# KiCad board fracture.kicad_pcb
title: _rupture_; date: 2022-02-22; rev: v0_2; company: updated by cyberboy666; note: based on karlklomp design; note: CC-BY-SA
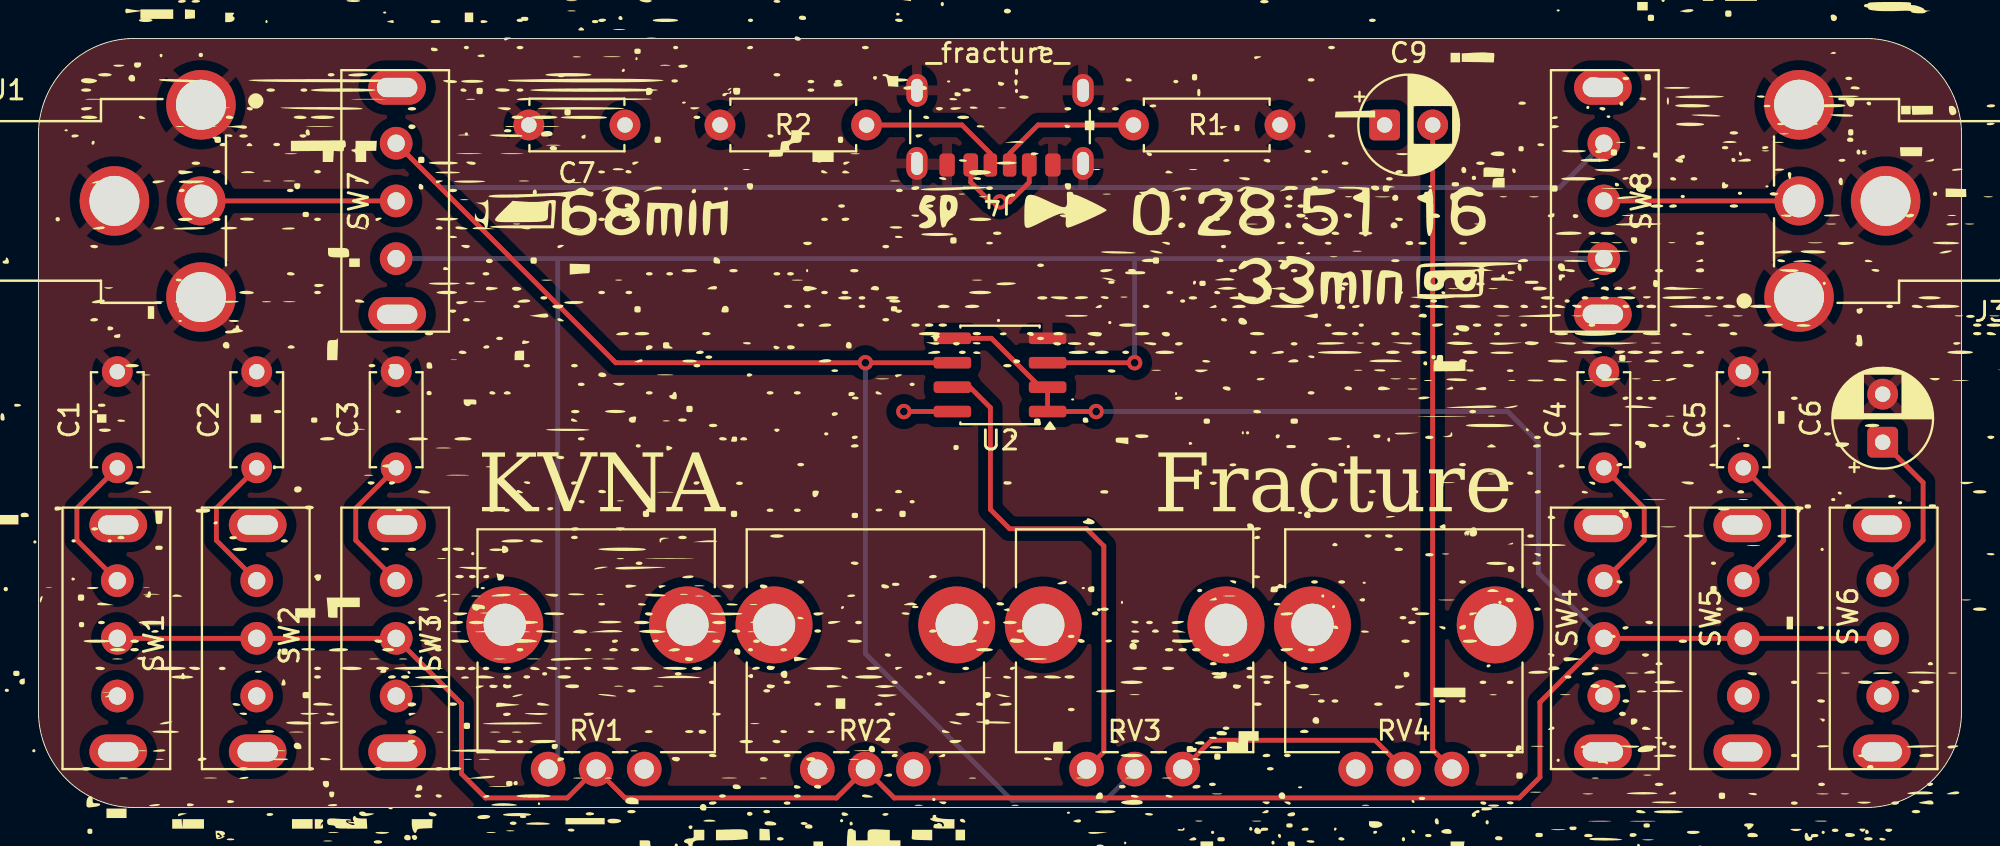
[diagram p0: board, top side]
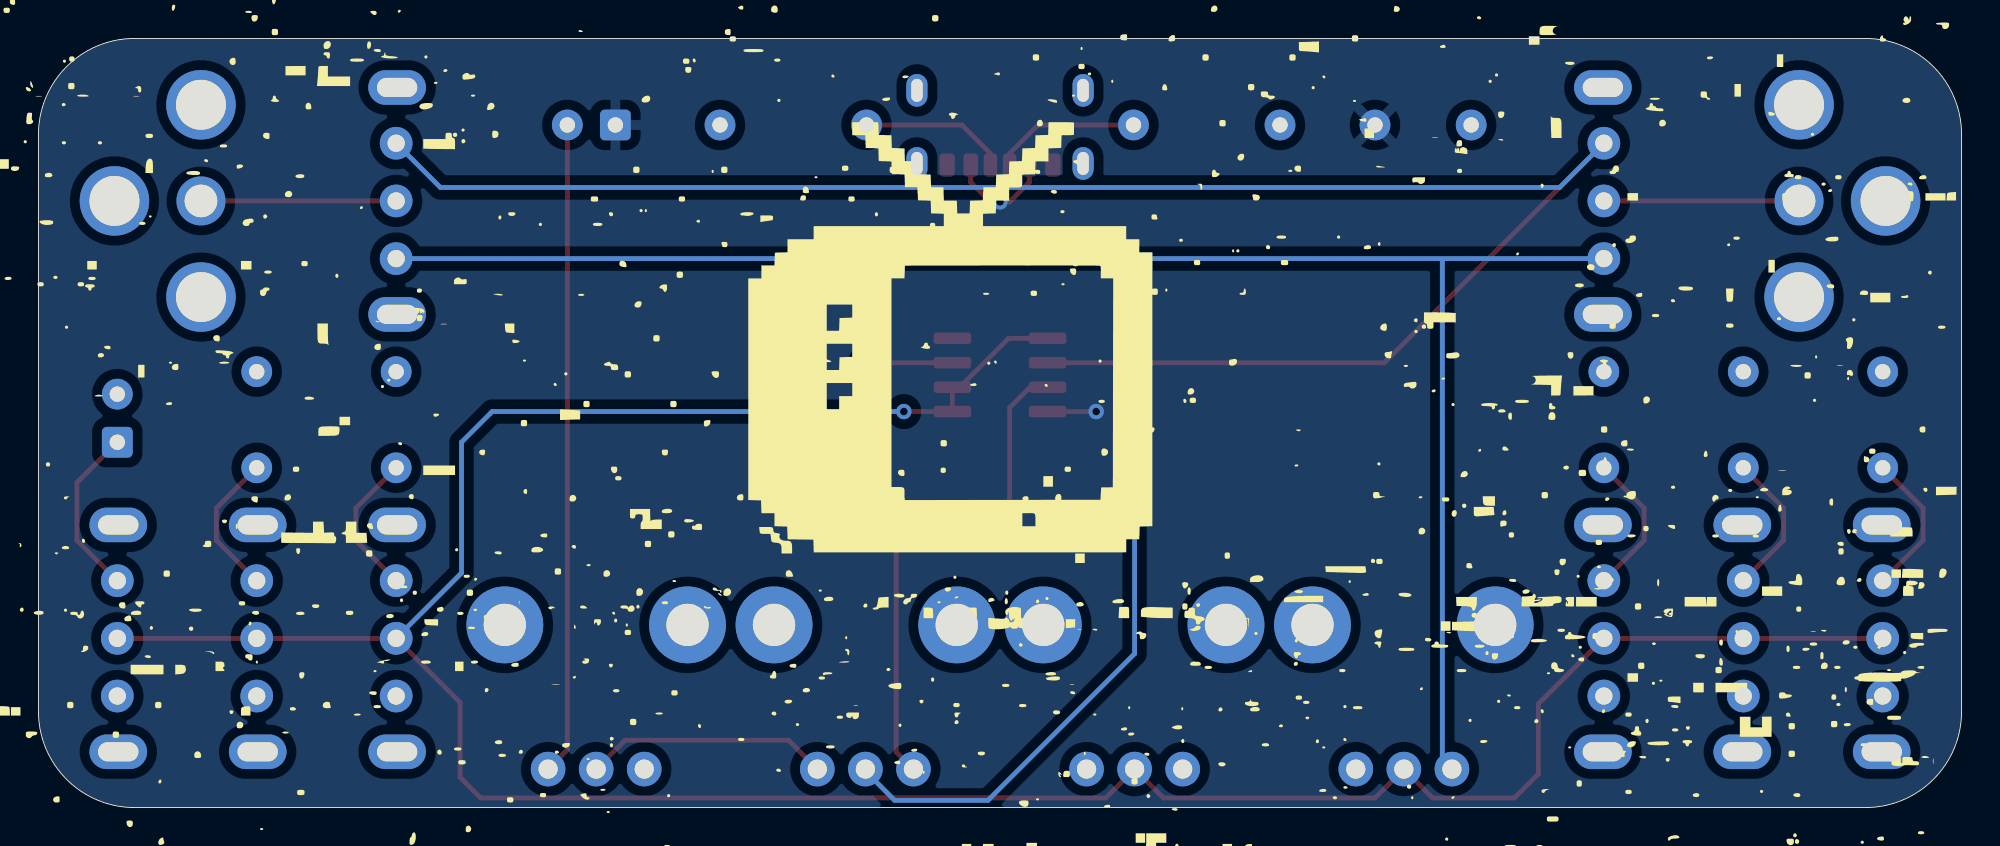
[diagram p1: board, bottom side, seen from below]

Outline 100 x 40 mm; copper layers: Top, Bottom. Coordinates in mm from the lower left corner of the outline.
Outline path: 0,35 arc(1.46,38.54) 5,40 95,40 arc(98.54,38.54) 100,35 100,5 arc(98.54,1.46) 95,0 5,0 arc(1.46,1.46) 0,5 0,35

## Placement (name value [footprint] x y rotation side)
C1  0.01uf  [C_Disc_D4.7mm_W2.5mm_P5.00mm]  4.1 17.67 90 top
C2  0.047uf  [C_Disc_D4.7mm_W2.5mm_P5.00mm]  11.35 17.67 90 top
C3  0.1uf  [C_Disc_D4.7mm_W2.5mm_P5.00mm]  18.6 17.67 90 top
C4  0.68u  [C_Disc_D4.7mm_W2.5mm_P5.00mm]  81.4 17.67 90 top
C5  1uf  [C_Disc_D4.7mm_W2.5mm_P5.00mm]  88.65 17.67 90 top
C6  100uf  [CP_Radial_D5.0mm_P2.50mm]  95.9 19 90 top
C7  0.47u  [C_Disc_D4.7mm_W2.5mm_P5.00mm]  30.5 35.5 180 top
C9  2.2uf  [CP_Radial_D5.0mm_P2.50mm]  70 35.5 0 top
J1  RCJ-013  [CUI_RCJ-013]  2.5 31.55 0 top
J3  RCJ-013  [CUI_RCJ-013]  97.5 31.55 180 top
J4  USB_C_Receptacle_PowerOnly_6P  [USB_C_Receptacle_GCT_USB4125-xx-x-0190_6P_TopMnt_Horizontal]  50 36.5 180 top
R1  5.1k  [R_Axial_DIN0207_L6.3mm_D2.5mm_P7.62mm_Horizontal]  56.94 35.5 0 top
R2  5.1k  [R_Axial_DIN0207_L6.3mm_D2.5mm_P7.62mm_Horizontal]  43.06 35.5 180 top
RV1  1k  [pot_vertical_9mm]  31.5 2 90 top
RV2  1k  [pot_vertical_9mm]  45.5 2 90 top
RV3  1k  [pot_vertical_9mm]  59.5 2 90 top
RV4  1k  [pot_vertical_9mm]  73.5 2 90 top
SW1  SPDT  [spdt_slide_switch_small_tayda]  4 8.75 90 top
SW2  SPDT  [spdt_slide_switch_small_tayda]  11.25 8.75 90 top
SW3  SPDT  [spdt_slide_switch_small_tayda]  18.5 8.75 90 top
SW4  SPDT  [spdt_slide_switch_small_tayda]  81.5 8.85 270 top
SW5  SPDT  [spdt_slide_switch_small_tayda]  88.75 8.85 270 top
SW6  SPDT  [spdt_slide_switch_small_tayda]  96 8.85 270 top
SW7  SPDT  [spdt_slide_switch_small_tayda]  18.5 31.5 90 top
SW8  SPDT  [spdt_slide_switch_small_tayda]  81.5 31.6 270 top
U2  AD8072  [SOIC-8_3.9x4.9mm_P1.27mm]  50 22.5 180 top

## Library data of the parts
C1-C5 C7 = -: ki_fp_filters: C_*
C6 C9 = -: Description: Polarized capacitor; ki_fp_filters: CP_*
J1 J3 = -: MF: Same Sky; Description_1: Metal Right-Angle, RCA Jack, White Insulator; Package: None; Price: None; Check_prices: https://www.snapeda.com/parts/RCJ-013/Same+Sky/view-part/?ref=eda; PART_REV: B; STANDARD: Manufacturer recommendations; SnapEDA_Link: https://www.snapeda.com/parts/RCJ-013/Same+Sky/view-part/?ref=snap; Availability: In Stock; MANUFACTURER: CUI Inc
J4 = -: Datasheet: https://www.usb.org/sites/default/files/documents/usb_type-c.zip; Description: USB Power-Only 6P Type-C Receptacle connector; ki_fp_filters: USB*C*Receptacle*
R1 R2 = -: ki_fp_filters: R_*
RV1-RV4 = -: Description: Trim-potentiometer; ki_fp_filters: Potentiometer*
SW1-SW8 = -: Vendor: tayda; Sku: A-659
U2 = -: Datasheet: http://www.ti.com/lit/ds/symlink/lm358.pdf; Vendor: mouser; Sku: 584-AD8072JNZ; ki_fp_filters: SOIC*3.9x4.9mm*P1.27mm* DIP*W7.62mm* TO*99* OnSemi*Micro8* TSSOP*3x3mm*P0.65mm* TSSOP*4.4x3mm*P0.65mm* MSOP*3x3mm*P0.65mm* SSOP*3.9x4.9mm*P0.635mm* LFCSP*2x2mm*P0.5mm* *SIP* SOIC*5.3x6.2mm*P1.27mm*

## Footprints (pads in the part's own frame, mm; a bottom-side part is the same pattern mirrored in y, then rotated)
C_Disc_D4.7mm_W2.5mm_P5.00mm
  round 1.6 hole 0.8: 1(0,0) 2(5,0)
CP_Radial_D5.0mm_P2.50mm
  rrect 1.6x1.6 hole 0.8: 1(0,0)
  round 1.6 hole 0.8: 2(2.5,0)
CUI_RCJ-013
  round 3.616 hole 2.6: 1A(5.95,5) 1B(5.95,-5) 1C(1.45,0)
  round 2.55 hole 1.7: 2(5.95,0)
pot_vertical_9mm
  round 4 hole 2.2 unplated: (7.5,7.25) (7.5,-2.25)
  round 1.8 hole 1: 1(0,0) 2(0,2.5) 3(0,5)
R_Axial_DIN0207_L6.3mm_D2.5mm_P7.62mm_Horizontal
  round 1.6 hole 0.8: 1(0,0) 2(7.62,0)
SOIC-8_3.9x4.9mm_P1.27mm
  rrect 1.95x0.6 smd: 1(-2.475,1.905) 2(-2.475,0.635) 3(-2.475,-0.635) 4(-2.475,-1.905) 5(2.475,-1.905) 6(2.475,-0.635) 7(2.475,0.635) 8(2.475,1.905)
spdt_slide_switch_small_tayda
  oval 1.8x3 hole 1x2.1: (-5.85,-0.15) (5.95,-0.15)
  round 1.7 hole 0.9: 1(-2.95,-0.1) 2(0.05,-0.1) 3(3.05,-0.1)
USB_C_Receptacle_GCT_USB4125-xx-x-0190_6P_TopMnt_Horizontal
  rrect 0.7x1.2 smd: A5(-0.5,3.08) B5(0.5,3.08)
  rrect 0.76x1.2 smd: A9(1.52,3.08) B9(-1.52,3.08)
  rrect 0.8x1.2 smd: A12(2.75,3.08) B12(-2.75,3.08)
  oval 1.1x1.7 hole 0.6x1.2: S1(-4.32,3) S1(-4.32,-0.8) S1(4.32,3) S1(4.32,-0.8)

## Nets
GND: C1.2 C2.2 C3.2 C4.2 C5.2 C6.2 C7.2 J1.1A J1.1B J1.1C J3.1A J3.1B J3.1C J4.A12 J4.B12 J4.S1 R1.2 R2.2 RV2.1 U2.4
+VDC: C7.1 C9.1 J4.A9 J4.B9 U2.8
cap: RV1.2 RV2.2 SW1.2 SW2.2 SW3.2 SW4.2 SW5.2 SW6.2 U2.1 U2.2 U2.5
video_in: RV1.3 SW7.1 SW8.3 U2.3
video_out: RV3.2 SW7.3 SW8.1 U2.6
Net-(C9-Pad2): C9.2 RV4.1
Net-(J4-CC1): J4.A5 R1.1
Net-(J4-CC2): J4.B5 R2.1
Net-(RV3-Pad1): RV3.1 RV4.2
Net-(RV3-Pad3): RV3.3 U2.7
Net-(SW1-C): C1.1 SW1.3
Net-(SW2-C): C2.1 SW2.3
Net-(SW3-C): C3.1 SW3.3
Net-(SW4-A): C4.1 SW4.1
Net-(SW5-A): C5.1 SW5.1
Net-(SW6-A): C6.1 SW6.1
Net-(SW7-B): J1.2 SW7.2
Net-(SW8-B): J3.2 SW8.2

Pads without a net: RV1 1; RV2 3; RV4 3; SW1 1; SW2 1; SW3 1; SW4 3; SW5 3; SW6 3

## Via types
v1: diameter 0.8, hole 0.4, Top to Bottom, 5 vias

## Routing (per net, layer and track width the routed paths; a pad name or vN(x,y) marks a point on that pad's centre or on a via; arc(x,y) is an arc through that point)
+VDC: length 8.2
  Top w0.25: J4.A9 48.48,32.52 49.5,31.5 v1(50,31.5) 50.5,31.5 51.52,32.52 J4.B9 ; U2.8 45.09,20.59 45,20.5
  vias: v1(45,20.59)
cap: length 150.7
  Top w0.25: SW6.2 SW4.2 78.08,5.48 78.08,1.58 77,0.5 44.5,0.5 RV2.2 41.5,0.5 30.5,0.5 RV1.2 27.5,0.5 23.25,0.5 22,1.75 22,5.4 SW3.2 SW1.2 ; U2.5 49.55,24.41 52.09,21.86 U2.2 U2.1 54.91,20.59 55,20.5
  Bottom w0.25: SW4.2 78,12.2 78,19 76.41,20.59 v1(55,20.59)
video_in: length 99.9
  Top w0.25: 57,23.15 56.88,23.15 56.87,23.14 U2.3
  Bottom w0.25: 26,1.7 27,2.7 27,28.45 ; 57,23.15 57,23.15 ; 57,28.55 SW8.3 ; 57,28.55 SW7.1 ; 57,28.55 v1(57,23.14)
video_out: length 130.6
  Top w0.25: SW7.3 30.01,23.14 42.79,23.14 ; U2.6 43.09,23.14 43,23.04
  Bottom w0.25: 43,23 43,8 50.63,0.37 55.47,0.37 56.7,1.6 ; SW8.1 79.1,32.25 20.9,32.25 SW7.3
  vias: v1(43,23.14)
Net-(C9-Pad2): length 33.9
  Top w0.25: C9.2 72.5,3 RV4.1
Net-(J4-CC1): length 7.1
  Top w0.25: 57,35.5 51.98,35.5 50.5,34.02
Net-(J4-CC2): length 7.7
  Top w0.25: J4.B5 49.5,34.02 48.02,35.5 43,35.5
Net-(RV3-Pad1): length 12.7
  Top w0.25: RV3.1 61,3.5 69.5,3.5 RV4.2
Net-(RV3-Pad3): length 26.4
  Top w0.25: RV3.3 55.4,2.9 55.4,13.6 54.5,14.5 50.5,14.5 49.5,15.5 49.5,20.79 48.43,21.86 U2.7
Net-(SW1-C): length 7.6
  Top w0.25: C1.1 2,15.57 2,13.9 SW1.3
Net-(SW2-C): length 7.6
  Top w0.25: SW2.3 9.25,13.9 9.25,15.57 C2.1
Net-(SW3-C): length 7.6
  Top w0.25: SW3.3 16.5,13.9 16.5,15.57 C3.1
Net-(SW4-A): length 7.6
  Top w0.25: SW4.1 83.5,13.9 83.5,15.57 C4.1
Net-(SW5-A): length 7.6
  Top w0.25: C5.1 90.75,15.57 90.75,13.9 SW5.1
Net-(SW6-A): length 8.9
  Top w0.25: C6.1 98,16.9 98,13.9 SW6.1
Net-(SW7-B): length 10.2
  Top w0.25: J1.2 SW7.2 ; 8.5,31.45 8.45,31.4
Net-(SW8-B): length 10.2
  Top w0.25: 91.5,31.45 91.55,31.4 ; J3.2 SW8.2

## Copper pours and planes (outline as drawn; the poured copper is in the pictures)
GND on Top: 0,40 100,40 100,0 0,0
+VDC on Bottom: 0,40 100,40 100,0 0,0

## Text on the board
F.Paste: 81.2 =y | 129 =x | 143=x | 157=x | 171 =x
F.Silkscreen: _fracture_ | KVNA | Fracture
